# Allegro board pc065c_fibv2_toplevel_28smoothed.brd (continued)
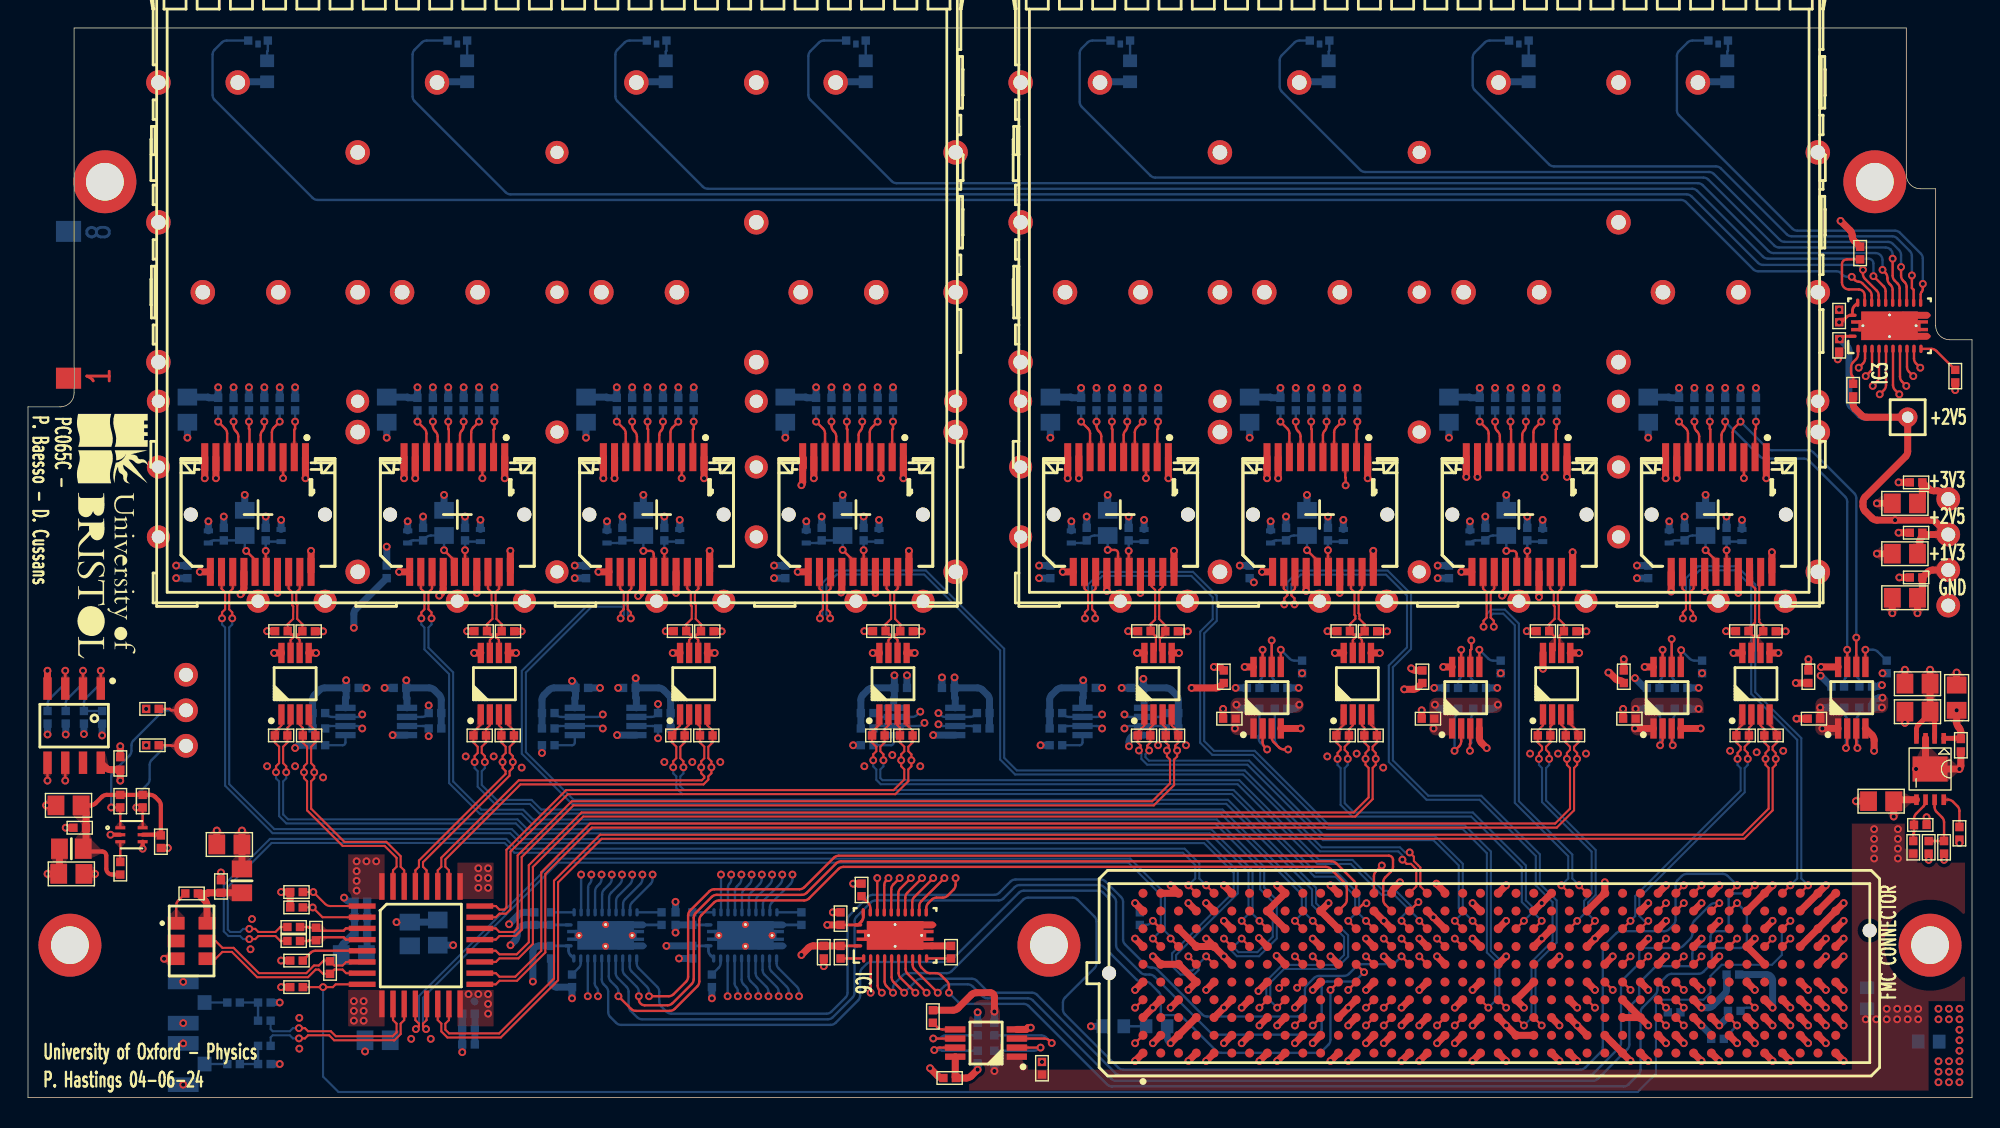
[diagram p0: board, top side]
## Routing (per net, layer and track width the routed paths; a pad name or vN(x,y) marks a point on that pad's centre or on a via; arc(x,y) is an arc through that point) (continued)
SFP_FAULT_FPGA<7>: length 58.5
  TOP w0.17: J2.F17 v1(99.48,10.1)
  L6_SIG w0.17: v1(99.48,10.1) 99.05,10.53 arc(98.94,10.7) 98.9,10.89 98.9,13 arc(98.75,13.35) 98.4,13.5 97.61,13.5 arc(97.42,13.54) 97.25,13.65 91.85,19.05 arc(91.69,19.16) 91.49,19.2 74.51,19.2 arc(74.32,19.16) 74.15,19.05 65.05,9.95 arc(64.88,9.84) 64.69,9.8 58.38,9.8 arc(58.19,9.76) 58.03,9.65 55.77,7.4 arc(55.61,7.29) 55.42,7.25 v1(55.13,7.25)
  BOTTOM w0.17: v1(55.13,7.25) 55.13,7.57 arc(55.1,7.76) 54.99,7.92 53.67,9.24 arc(53.56,9.4) 53.52,9.59 IC5.14
SFP_I2C_SCL<0>: length 31.9
  TOP w0.17: v1(16.9,48.34) 16.9,48.01 arc(16.87,47.84) 16.77,47.7 arc(16.67,47.55) 16.64,47.38 J7.5
  L6_SIG w0.17: v1(16.9,48.34) 16.9,46.81 arc(16.94,46.62) 17.05,46.45 18.95,44.55 arc(19.06,44.38) 19.1,44.19 19.1,42.41 arc(19.14,42.22) 19.25,42.05 19.25,42.05 arc(19.36,41.88) 19.4,41.69 19.4,28.81 arc(19.44,28.62) 19.55,28.45 20.45,27.55 arc(20.62,27.44) 20.81,27.4 v1(23.9,27.4)
  BOTTOM w0.17: R140.1 21.38,27.37 arc(21.54,27.26) 21.73,27.23 IC12.7 23.73,27.23 arc(23.85,27.27) 23.9,27.39 v1(23.9,27.4) ; R27.1 v1(16.9,48.34)
SFP_I2C_SCL<1>: length 34.4
  TOP w0.17: J12.5 30.89,47.38 arc(30.92,47.55) 31.02,47.7 arc(31.12,47.84) 31.15,48.01 v1(31.15,48.34)
  L6_SIG w0.17: v1(31.15,48.34) 31.15,47.66 arc(31.19,47.47) 31.3,47.3 33.05,45.55 arc(33.16,45.38) 33.2,45.19 33.2,44.41 arc(33.24,44.22) 33.35,44.05 33.85,43.55 arc(33.96,43.38) 34,43.19 34,41.01 arc(34.04,40.82) 34.15,40.65 35.45,39.35 arc(35.62,39.24) 35.81,39.2 39.8,39.2 arc(40.01,39.11) 40.1,38.9 40.1,28.61 arc(40.14,28.42) 40.25,28.25 v1(41.1,27.4)
  BOTTOM w0.17: R39.1 v1(31.15,48.34) ; v1(41.1,27.4) 41.07,27.37 arc(40.91,27.26) 40.72,27.23 IC14.7 38.13,27.23 arc(37.94,27.26) 37.78,27.37 R145.1
SFP_I2C_SCL<2>: length 42.2
  TOP w0.17: v1(45.4,48.34) 45.4,48.01 arc(45.37,47.84) 45.27,47.7 arc(45.17,47.55) 45.14,47.38 J16.5
  L6_SIG w0.17: v1(45.4,48.34) 45.4,47.01 arc(45.44,46.82) 45.55,46.65 47.55,44.65 arc(47.66,44.48) 47.7,44.29 47.7,32.05 arc(47.74,31.86) 47.85,31.7 51.15,28.4 arc(51.31,28.29) 51.5,28.25 61.94,28.25 arc(62.13,28.21) 62.29,28.11 62.65,27.75 arc(62.81,27.64) 63.01,27.6 v1(63.8,27.6)
  BOTTOM w0.17: v1(63.8,27.6) 63.57,27.37 arc(63.41,27.26) 63.22,27.23 IC15.7 60.93,27.23 arc(60.74,27.26) 60.58,27.37 R150.1 ; R47.1 v1(45.4,48.34)
SFP_I2C_SCL<3>: length 47.1
  TOP w0.17: J20.5 59.39,47.38 arc(59.42,47.55) 59.52,47.7 arc(59.62,47.84) 59.65,48.01 v1(59.65,48.34)
  L6_SIG w0.17: v1(59.65,48.34) 59.65,48.95 arc(59.78,49.27) 60.1,49.4 61.59,49.4 arc(61.78,49.36) 61.95,49.25 64.83,46.37 arc(64.99,46.26) 65.18,46.22 66.92,46.22 arc(67.11,46.26) 67.27,46.37 67.88,46.98 arc(68.04,47.09) 68.23,47.12 71.87,47.12 arc(72.06,47.09) 72.22,46.98 73.13,46.07 arc(73.29,45.96) 73.48,45.92 75.77,45.92 arc(75.96,45.89) 76.12,45.78 76.48,45.42 arc(76.59,45.26) 76.62,45.07 76.62,42.78 arc(76.66,42.59) 76.77,42.43 77.08,42.12 arc(77.19,41.96) 77.22,41.77 77.22,41.23 arc(77.19,41.04) 77.08,40.88 75.67,39.47 arc(75.56,39.31) 75.52,39.12 75.52,35.93 arc(75.49,35.74) 75.38,35.58 74.85,35.05 arc(74.74,34.88) 74.7,34.69 74.7,28.51 arc(74.74,28.32) 74.85,28.15 75.45,27.55 arc(75.62,27.44) 75.81,27.4 v1(76.8,27.4)
  BOTTOM w0.17: R55.1 v1(59.65,48.34) ; R155.1 74.08,27.37 arc(74.24,27.26) 74.43,27.23 IC16.7 76.42,27.23 arc(76.61,27.26) 76.77,27.37 v1(76.8,27.4)
SFP_I2C_SCL<4>: length 28.3
  TOP w0.17: 88.28,30.8 v1(88.28,32.03) ; v1(78.6,48.34) 78.6,48.01 arc(78.57,47.84) 78.47,47.7 arc(78.37,47.55) 78.34,47.38 J36.5
  L6_SIG w0.17: v1(78.6,48.34) 78.6,47.21 arc(78.64,47.02) 78.75,46.85 80.65,44.95 arc(80.76,44.78) 80.8,44.59 80.8,42.11 arc(80.84,41.92) 80.95,41.75 82.55,40.15 arc(82.66,39.98) 82.7,39.79 82.7,37.71 arc(82.74,37.52) 82.85,37.35 85.66,34.55 arc(85.82,34.44) 86.01,34.4 86.79,34.4 arc(86.99,34.36) 87.15,34.25 88.13,33.27 arc(88.24,33.11) 88.28,32.92 v1(88.28,32.03)
  BOTTOM w0.17: v1(88.28,32.03) 88.28,30.2 arc(88.25,30.05) 88.16,29.93 88.16,29.92 arc(88.08,29.8) 88.05,29.65 R160.1 ; R128.1 v1(78.6,48.34)
SFP_I2C_SCL<5>: length 31.3
  TOP w0.17: J32.5 92.59,47.38 arc(92.62,47.55) 92.72,47.7 arc(92.82,47.84) 92.85,48.01 v1(92.85,48.34) ; IC18.7 v1(102.47,32.03)
  L6_SIG w0.17: v1(102.47,32.03) 102.25,32.25 arc(102.09,32.36) 101.9,32.4 97.31,32.4 arc(97.12,32.44) 96.95,32.55 96.15,33.35 arc(96.04,33.52) 96,33.71 96,36.39 arc(96.04,36.58) 96.15,36.75 96.85,37.45 arc(96.96,37.62) 97,37.81 97,39.89 arc(96.96,40.08) 96.85,40.25 95.05,42.05 arc(94.94,42.22) 94.9,42.41 94.9,43.79 arc(94.86,43.98) 94.75,44.15 93,45.9 arc(92.89,46.07) 92.85,46.26 v1(92.85,48.34)
  BOTTOM w0.17: v1(102.47,32.03) 102.47,30.2 arc(102.45,30.05) 102.36,29.93 102.36,29.92 arc(102.28,29.8) 102.25,29.65 R165.1 ; R120.1 v1(92.85,48.34)
SFP_I2C_SCL<6>: length 27.8
  TOP w0.17: IC19.7 v1(116.88,32.03) ; J28.5 106.84,47.38 arc(106.87,47.55) 106.97,47.7 arc(107.07,47.84) 107.1,48.01 v1(107.1,48.34)
  L6_SIG w0.17: v1(107.1,48.34) 115.85,39.59 arc(115.96,39.43) 116,39.24 116,33.11 arc(116.04,32.92) 116.15,32.76 v1(116.88,32.03)
  BOTTOM w0.17: R112.1 v1(107.1,48.34) ; R170.1 116.65,29.65 arc(116.68,29.8) 116.76,29.92 116.76,29.93 arc(116.85,30.05) 116.88,30.2 v1(116.88,32.03)
SFP_I2C_SCL<7>: length 29.1
  TOP w0.17: v1(121.35,48.34) 121.35,48.01 arc(121.32,47.84) 121.22,47.7 arc(121.12,47.55) 121.09,47.38 J24.5 ; 130.07,30.8 v1(130.07,32.03)
  BOTTOM w0.17: R104.1 v1(121.35,48.34) 123.85,45.85 arc(124.01,45.74) 124.2,45.7 126.99,45.7 arc(127.18,45.66) 127.35,45.55 129.93,42.97 arc(130.04,42.81) 130.07,42.62 v1(130.07,32.03) 130.07,30.3 arc(130.05,30.15) 129.96,30.02 129.96,30.02 arc(129.88,29.9) 129.85,29.75 R175.1
SFP_I2C_SCL_CVCC<0>: length 87.5
  TOP w0.17: 92.42,5.72 v1(91.86,5.16)
  L3_SIG w0.17: v1(91.86,5.16) 91.35,4.65 arc(91.24,4.48) 91.2,4.29 91.2,3.5 arc(91.14,3.36) 91,3.3 79.01,3.3 arc(78.82,3.34) 78.65,3.45 75.95,6.15 arc(75.84,6.32) 75.8,6.51 75.8,9.89 arc(75.84,10.08) 75.95,10.25 76.75,11.05 arc(76.86,11.22) 76.9,11.41 76.9,13.89 arc(76.86,14.08) 76.75,14.25 70.05,20.95 arc(69.88,21.06) 69.69,21.1 60.01,21.1 arc(59.82,21.14) 59.65,21.25 56.35,24.55 arc(56.18,24.66) 55.99,24.7 38.51,24.7 arc(38.32,24.74) 38.15,24.85 37.85,25.15 arc(37.68,25.26) 37.49,25.3 31.11,25.3 arc(30.92,25.26) 30.75,25.15 30.1,24.5 arc(29.93,24.39) 29.74,24.35 28.25,24.35 arc(28,24.45) 27.9,24.7 27.9,25.79 arc(27.94,25.98) 28.05,26.15 28.5,26.6 arc(28.61,26.77) 28.65,26.96 v1(28.65,28.05)
  BOTTOM w0.17: v1(28.65,28.05) R137.1 28.52,27.37 arc(28.36,27.26) 28.17,27.23 IC12.2
SFP_I2C_SCL_CVCC<1>: length 75.6
  TOP w0.17: 98.78,10.8 v1(98.21,11.37)
  L3_SIG w0.17: v1(98.21,11.37) 97.65,11.93 arc(97.54,12.1) 97.5,12.29 97.5,17.29 arc(97.54,17.48) 97.65,17.65 98.05,18.05 arc(98.16,18.22) 98.2,18.41 98.2,25.49 arc(98.16,25.68) 98.05,25.85 92.65,31.25 arc(92.48,31.36) 92.29,31.4 90.91,31.4 arc(90.72,31.36) 90.55,31.25 89.45,30.15 arc(89.28,30.04) 89.09,30 84.61,30 arc(84.42,30.04) 84.25,30.15 83.35,31.05 arc(83.18,31.16) 82.99,31.2 61.01,31.2 arc(60.82,31.16) 60.65,31.05 57.9,28.3 arc(57.73,28.19) 57.54,28.15 v1(45.05,28.15)
  BOTTOM w0.17: IC14.2 44.57,27.23 arc(44.76,27.26) 44.92,27.37 R142.1 v1(45.05,28.15)
SFP_I2C_SCL_CVCC<2>: length 49.8
  TOP w0.17: 97.5,5.72 v1(96.94,5.16)
  L3_SIG w0.17: v1(96.94,5.16) 96.65,5.16 arc(96.46,5.2) 96.3,5.3 95.95,5.65 arc(95.79,5.76) 95.6,5.8 95.3,5.8 arc(95.16,5.86) 95.1,6 95.1,8.09 arc(95.07,8.22) 95,8.33 arc(94.93,8.44) 94.9,8.57 94.9,9.09 arc(94.86,9.28) 94.75,9.45 92.35,11.85 arc(92.18,11.96) 91.99,12 91.37,12 arc(91.25,12.05) 91.2,12.17 91.2,17.59 arc(91.16,17.78) 91.05,17.95 85.75,23.25 arc(85.58,23.36) 85.39,23.4 72.61,23.4 arc(72.42,23.44) 72.25,23.55 68.45,27.35 arc(68.28,27.46) 68.09,27.5 v1(65.1,27.5)
  BOTTOM w0.17: v1(65.1,27.5) 65.23,27.37 arc(65.39,27.26) 65.58,27.23 IC15.2 67.37,27.23 arc(67.56,27.26) 67.72,27.37 R147.1
SFP_I2C_SCL_CVCC<3>: length 104.5
  TOP w0.17: 121.64,10.8 v1(122.2,11.37)
  L3_SIG w0.17: v1(78.4,27.4) 77.85,27.95 arc(77.68,28.06) 77.49,28.1 72.51,28.1 arc(72.32,28.14) 72.15,28.25 71.35,29.05 arc(71.18,29.16) 70.99,29.2 63.11,29.2 arc(62.92,29.16) 62.75,29.05 62.05,28.35 arc(61.94,28.18) 61.9,27.99 61.9,26.51 arc(61.94,26.32) 62.05,26.15 63.15,25.05 arc(63.32,24.94) 63.51,24.9 67.59,24.9 arc(67.78,24.86) 67.95,24.75 77.85,14.85 arc(77.96,14.68) 78,14.49 78,11.11 arc(78.04,10.92) 78.15,10.76 82.95,5.95 arc(83.12,5.84) 83.31,5.8 91.89,5.8 arc(92.09,5.76) 92.25,5.65 96.25,1.65 arc(96.42,1.54) 96.61,1.5 112.29,1.5 arc(112.48,1.54) 112.65,1.65 113.55,2.55 arc(113.66,2.72) 113.7,2.91 113.7,5.3 arc(113.82,5.58) 114.1,5.7 121.29,5.7 arc(121.48,5.74) 121.65,5.85 122.06,6.25 arc(122.16,6.42) 122.2,6.61 v1(122.2,11.37)
  BOTTOM w0.17: v1(78.4,27.4) 78.43,27.37 arc(78.59,27.26) 78.78,27.23 IC16.2 80.87,27.23 arc(81.06,27.26) 81.22,27.37 R152.1
SFP_I2C_SCL_CVCC<4>: length 34
  TOP w0.17: v1(88.6,24.9) 88.42,25.08 arc(88.31,25.24) 88.28,25.43 88.28,26.4 ; 102.58,5.72 v1(102.02,5.16)
  L3_SIG w0.17: v1(88.6,24.9) 89.05,25.35 arc(89.22,25.46) 89.41,25.5 90.09,25.5 arc(90.28,25.46) 90.45,25.35 92.65,23.15 arc(92.76,22.98) 92.8,22.79 92.8,17.21 arc(92.84,17.02) 92.95,16.85 93.55,16.25 arc(93.66,16.08) 93.7,15.89 93.7,12.61 arc(93.74,12.42) 93.85,12.25 95.25,10.85 arc(95.42,10.74) 95.61,10.7 97.33,10.7 arc(97.52,10.62) 97.6,10.43 97.6,10.01 arc(97.64,9.82) 97.75,9.65 98.35,9.05 arc(98.52,8.94) 98.71,8.9 98.89,8.9 arc(99.08,8.86) 99.25,8.75 101.05,6.95 arc(101.16,6.78) 101.2,6.59 101.2,6.18 arc(101.24,5.99) 101.35,5.83 v1(102.02,5.16)
  BOTTOM w0.17: R157.1 88.05,25.91 88,25.86 88,25.68 arc(88.03,25.51) 88.13,25.37 v1(88.6,24.9)
SFP_I2C_SCL_CVCC<5>: length 36.5
  TOP w0.17: IC18.2 102.47,25.48 arc(102.44,25.29) 102.33,25.13 v1(102,24.8) ; J2.D15 v1(96.94,6.43)
  L3_SIG w0.17: v1(102,24.8) 102,17.81 arc(101.96,17.62) 101.85,17.45 98.95,14.55 arc(98.84,14.38) 98.8,14.19 98.8,10.11 arc(98.84,9.92) 98.95,9.75 99.45,9.25 arc(99.62,9.14) 99.81,9.1 100.09,9.1 arc(100.28,9.06) 100.45,8.95 102.55,6.85 arc(102.66,6.68) 102.7,6.49 102.7,5 arc(102.55,4.65) 102.2,4.5 100.4,4.5 arc(100.19,4.59) 100.1,4.8 100.1,5.39 arc(100.06,5.58) 99.95,5.75 98.75,6.95 arc(98.58,7.06) 98.39,7.1 97.82,7.1 arc(97.63,7.06) 97.46,6.95 v1(96.94,6.43)
  BOTTOM w0.17: v1(102,24.8) 102,27.03 arc(102.04,27.22) 102.15,27.38 102.25,27.49 R162.1
SFP_I2C_SCL_CVCC<6>: length 27.1
  TOP w0.15: IC19.2 116.88,25.58 arc(116.84,25.39) 116.73,25.23 v1(116.7,25.2) ; J2.G19 v1(102.02,11.37)
  L3_SIG w0.15: v1(116.7,25.2) 107.75,16.25 arc(107.64,16.08) 107.6,15.89 107.6,12.71 arc(107.56,12.52) 107.45,12.35 107.15,12.05 arc(106.98,11.94) 106.79,11.9 102.75,11.9 arc(102.56,11.86) 102.4,11.75 v1(102.02,11.37)
  BOTTOM w0.15: R167.1 116.65,27.29 116.7,27.24 v1(116.7,25.2)
SFP_I2C_SCL_CVCC<7>: length 21.1
  TOP w0.17: 130.07,26.4 130.07,25.22 arc(130.05,25.1) v1(129.99,25) ; J2.G37 v1(126.01,11.37)
  L3_SIG w0.17: v1(129.99,25) 129.99,18.29 arc(129.95,18.1) 129.84,17.94 128.15,16.25 arc(128.04,16.08) 128,15.89 128,12.31 arc(127.96,12.12) 127.85,11.95 127.42,11.52 arc(127.25,11.41) 127.06,11.37 v1(126.01,11.37)
  BOTTOM w0.17: v1(129.99,25) 129.99,25.54 130.07,25.63 130.07,27 arc(130.05,27.15) 129.96,27.27 129.96,27.28 arc(129.88,27.4) 129.85,27.55 R172.1
SFP_I2C_SDA<0>: length 31.3
  TOP w0.17: v1(18,48.34) 17.59,47.93 arc(17.48,47.77) 17.44,47.58 J7.4
  L6_SIG w0.17: v1(18,48.34) 18,47.26 arc(18.04,47.07) 18.15,46.91 24.65,40.4 arc(24.76,40.24) 24.8,40.05 24.8,29.11 arc(24.76,28.92) 24.65,28.75 24.65,28.75 arc(24.54,28.58) 24.5,28.39 24.5,27.21 arc(24.46,27.02) 24.35,26.85 v1(23.9,26.4)
  BOTTOM w0.17: v1(23.9,26.4) 23.87,26.43 arc(23.71,26.54) 23.52,26.57 IC12.6 21.63,26.57 arc(21.44,26.54) 21.28,26.43 R139.1 ; R28.1 v1(18,48.34)
SFP_I2C_SDA<1>: length 34.7
  TOP w0.17: v1(32.25,48.34) 31.84,47.93 arc(31.73,47.77) 31.69,47.58 J12.4
  L6_SIG w0.17: v1(32.25,48.34) 32.25,47.66 arc(32.29,47.47) 32.4,47.3 33.75,45.95 arc(33.92,45.84) 34.11,45.8 34.39,45.8 arc(34.58,45.76) 34.75,45.65 36.65,43.75 arc(36.76,43.58) 36.8,43.39 36.8,42.21 arc(36.84,42.02) 36.95,41.85 38.25,40.55 arc(38.42,40.44) 38.61,40.4 40.09,40.4 arc(40.28,40.36) 40.45,40.25 41.35,39.35 arc(41.46,39.18) 41.5,38.99 41.5,29.11 arc(41.54,28.92) 41.65,28.75 41.75,28.65 arc(41.86,28.48) 41.9,28.29 41.9,27.41 arc(41.86,27.22) 41.75,27.05 v1(41.1,26.4)
  BOTTOM w0.17: R144.1 37.68,26.43 arc(37.84,26.54) 38.03,26.57 IC14.6 40.72,26.57 arc(40.91,26.54) 41.07,26.43 v1(41.1,26.4) ; R40.1 v1(32.25,48.34)
SFP_I2C_SDA<2>: length 43.9
  TOP w0.17: J16.4 45.94,47.58 arc(45.98,47.77) 46.09,47.93 v1(46.5,48.34)
  L6_SIG w0.17: v1(46.5,48.34) 46.5,46.86 arc(46.54,46.67) 46.65,46.51 47.21,45.95 arc(47.37,45.84) 47.56,45.8 48.29,45.8 arc(48.48,45.76) 48.65,45.65 49.05,45.25 arc(49.16,45.08) 49.2,44.89 49.2,43.51 arc(49.16,43.32) 49.05,43.15 48.55,42.65 arc(48.44,42.48) 48.4,42.29 48.4,41.01 arc(48.44,40.82) 48.55,40.65 49.15,40.05 arc(49.26,39.88) 49.3,39.69 49.3,38.56 arc(49.34,38.37) 49.45,38.2 51.4,36.25 arc(51.51,36.08) 51.55,35.89 51.55,30.66 arc(51.59,30.47) 51.7,30.3 52.65,29.35 arc(52.82,29.24) 53.01,29.2 63.49,29.2 arc(63.68,29.16) 63.85,29.05 64.37,28.53 arc(64.48,28.37) 64.52,28.18 64.52,27.42 arc(64.48,27.23) 64.37,27.07 v1(64.1,26.8)
  BOTTOM w0.17: v1(64.1,26.8) 64.02,26.72 arc(63.86,26.61) 63.67,26.57 IC15.6 60.83,26.57 arc(60.64,26.54) 60.48,26.43 R149.1 ; R48.1 v1(46.5,48.34)
SFP_I2C_SDA<3>: length 45.7
  TOP w0.17: v1(60.75,48.34) 60.34,47.93 arc(60.23,47.77) 60.19,47.58 J20.4
  L6_SIG w0.17: v1(60.75,48.34) 63.15,45.95 arc(63.31,45.84) 63.5,45.8 67.09,45.8 arc(67.28,45.84) 67.45,45.95 68.05,46.55 arc(68.22,46.66) 68.41,46.7 71.69,46.7 arc(71.88,46.66) 72.05,46.55 72.95,45.65 arc(73.12,45.54) 73.31,45.5 75.59,45.5 arc(75.78,45.46) 75.95,45.35 76.05,45.25 arc(76.16,45.08) 76.2,44.89 76.2,42.61 arc(76.24,42.42) 76.35,42.25 76.65,41.95 arc(76.76,41.78) 76.8,41.59 76.8,41.41 arc(76.76,41.22) 76.65,41.05 75.25,39.65 arc(75.14,39.48) 75.1,39.29 75.1,36.21 arc(75.06,36.02) 74.95,35.85 74.35,35.25 arc(74.24,35.08) 74.2,34.89 74.2,27.68 arc(74.24,27.49) 74.35,27.32 75.12,26.55 arc(75.29,26.44) 75.48,26.4 v1(76.8,26.4)
  BOTTOM w0.17: v1(76.8,26.4) 76.77,26.43 arc(76.61,26.54) 76.42,26.57 IC16.6 74.33,26.57 arc(74.14,26.54) 73.98,26.43 R154.1 ; R56.1 v1(60.75,48.34)
SFP_I2C_SDA<4>: length 31
  TOP w0.17: J36.4 79.14,47.58 arc(79.18,47.77) 79.29,47.93 v1(79.7,48.34) ; IC17.6 v1(88.92,32.7)
  L6_SIG w0.17: v1(88.92,32.7) 88.92,33.87 arc(88.89,34.06) 88.78,34.22 87.65,35.35 arc(87.49,35.46) 87.29,35.5 85.67,35.5 arc(85.48,35.54) 85.32,35.65 83.75,37.22 arc(83.64,37.38) 83.6,37.58 83.6,39.29 arc(83.64,39.48) 83.75,39.65 84.35,40.25 arc(84.46,40.42) 84.5,40.61 84.5,43.39 arc(84.46,43.58) 84.35,43.75 83.14,44.95 arc(82.98,45.06) 82.79,45.1 81.71,45.1 arc(81.52,45.14) 81.35,45.25 79.85,46.76 arc(79.74,46.92) 79.7,47.11 v1(79.7,48.34)
  BOTTOM w0.17: R159.1 89.15,29.65 arc(89.12,29.8) 89.04,29.92 89.04,29.93 arc(88.95,30.05) 88.92,30.2 v1(88.92,32.7) ; R129.1 v1(79.7,48.34)
SFP_I2C_SDA<5>: length 30.4
  TOP w0.17: v1(103.2,32.7) 103.2,32.08 103.12,32 IC18.6 ; J32.4 93.39,47.58 arc(93.43,47.77) 93.54,47.93 v1(93.95,48.34)
  L6_SIG w0.17: v1(103.2,32.7) 100.35,35.55 arc(100.18,35.66) 99.99,35.7 99.41,35.7 arc(99.21,35.74) 99.05,35.85 98.25,36.65 arc(98.14,36.82) 98.1,37.01 98.1,39.59 arc(98.14,39.78) 98.25,39.95 98.35,40.05 arc(98.46,40.22) 98.5,40.41 98.5,43.59 arc(98.46,43.78) 98.35,43.95 97.25,45.05 arc(97.08,45.16) 96.89,45.2 95.21,45.2 arc(95.02,45.24) 94.85,45.35 94.1,46.1 arc(93.99,46.27) 93.95,46.46 v1(93.95,48.34)
  BOTTOM w0.17: R121.1 v1(93.95,48.34) ; v1(103.2,32.7) 103.2,32.08 103.12,32 103.12,30.2 arc(103.15,30.05) 103.24,29.93 103.24,29.92 arc(103.32,29.8) 103.35,29.65 R164.1
SFP_I2C_SDA<6>: length 28.5
  TOP w0.17: IC19.6 v1(117.53,32.8) ; v1(108.2,48.34) 107.79,47.93 arc(107.68,47.77) 107.64,47.58 J28.4
  L6_SIG w0.17: v1(108.2,48.34) 108.2,48.06 arc(108.24,47.87) 108.35,47.71 116.75,39.3 arc(116.86,39.14) 116.9,38.95 116.9,33.63 arc(116.94,33.44) 117.05,33.28 v1(117.53,32.8)
  BOTTOM w0.17: R169.1 117.75,29.65 arc(117.72,29.8) 117.64,29.92 117.64,29.93 arc(117.55,30.05) 117.53,30.2 v1(117.53,32.8) ; R113.1 v1(108.2,48.34)
SFP_I2C_SDA<7>: length 29.8
  TOP w0.17: v1(122.45,48.34) 122.04,47.93 arc(121.93,47.77) 121.89,47.58 J24.4 ; IC20.6 v1(130.72,32.9)
  BOTTOM w0.17: R174.1 130.95,29.75 arc(130.92,29.9) 130.84,30.02 130.84,30.02 arc(130.75,30.15) 130.72,30.3 v1(130.72,32.9) 130.72,42.87 arc(130.69,43.06) 130.58,43.22 127.65,46.15 arc(127.48,46.26) 127.29,46.3 124.7,46.3 arc(124.51,46.34) 124.35,46.45 v1(122.45,48.34) R105.1
SFP_I2C_SDA_CVCC<0>: length 80.2
  TOP w0.17: 91.16,5.72 v1(90.59,5.16)
  L3_SIG w0.17: v1(28.65,25.85) 38.24,25.85 arc(38.43,25.81) 38.6,25.7 39.05,25.25 arc(39.22,25.14) 39.41,25.1 56.59,25.1 arc(56.78,25.06) 56.95,24.95 60.25,21.65 arc(60.42,21.54) 60.61,21.5 70.19,21.5 arc(70.38,21.46) 70.55,21.35 77.35,14.55 arc(77.46,14.38) 77.5,14.19 77.5,11.11 arc(77.46,10.92) 77.35,10.75 76.45,9.85 arc(76.34,9.68) 76.3,9.49 76.3,6.61 arc(76.34,6.42) 76.45,6.25 78.05,4.65 arc(78.22,4.54) 78.41,4.5 89.72,4.5 arc(89.91,4.54) 90.08,4.65 v1(90.59,5.16)
  BOTTOM w0.17: IC12.3 28.27,26.57 arc(28.46,26.54) 28.62,26.43 R136.1 v1(28.65,25.85)
SFP_I2C_SDA_CVCC<1>: length 76.6
  TOP w0.17: J2.G15 v1(96.94,11.37)
  L3_SIG w0.17: v1(45.05,25.7) 56.19,25.7 arc(56.38,25.74) 56.55,25.85 61.35,30.65 arc(61.52,30.76) 61.71,30.8 82.59,30.8 arc(82.78,30.76) 82.95,30.65 84.75,28.85 arc(84.92,28.74) 85.11,28.7 88.39,28.7 arc(88.58,28.74) 88.75,28.85 90.65,30.75 arc(90.82,30.86) 91.01,30.9 92.09,30.9 arc(92.28,30.86) 92.45,30.75 97.35,25.85 arc(97.46,25.68) 97.5,25.49 97.5,18.81 arc(97.46,18.62) 97.35,18.45 96.25,17.35 arc(96.14,17.18) 96.1,16.99 96.1,15.14 arc(96.13,15.01) 96.2,14.9 arc(96.27,14.79) 96.3,14.66 96.3,12.22 arc(96.34,12.03) 96.45,11.86 v1(96.94,11.37)
  BOTTOM w0.17: IC14.3 44.67,26.57 arc(44.86,26.54) 45.02,26.43 R141.1 v1(45.05,25.7)
SFP_I2C_SDA_CVCC<2>: length 49.6
  TOP w0.17: 96.23,5.72 v1(95.67,5.16)
  L3_SIG w0.17: v1(65.1,26.7) 67.49,26.7 arc(67.68,26.66) 67.85,26.55 71.35,23.05 arc(71.52,22.94) 71.71,22.9 85.29,22.9 arc(85.48,22.86) 85.65,22.75 89.85,18.55 arc(89.96,18.38) 90,18.19 90,9.81 arc(90.04,9.62) 90.15,9.45 90.55,9.05 arc(90.72,8.94) 90.91,8.9 93.4,8.9 arc(93.68,8.78) 93.8,8.5 93.8,6.2 arc(93.92,5.92) 94.2,5.8 94.33,5.8 arc(94.52,5.76) 94.68,5.65 95.03,5.3 arc(95.19,5.2) 95.38,5.16 v1(95.67,5.16)
  BOTTOM w0.17: R146.1 67.82,26.43 arc(67.66,26.54) 67.47,26.57 IC15.3 65.4,26.57 arc(65.24,26.61) v1(65.1,26.7)
SFP_I2C_SDA_CVCC<3>: length 100.6
  TOP w0.17: J2.G33 v1(120.93,11.37)
  L3_SIG w0.17: v1(78.4,26.4) 77.65,25.65 arc(77.48,25.54) 77.29,25.5 73.69,25.5 arc(73.5,25.54) 73.34,25.65 70.93,28.05 arc(70.77,28.16) 70.58,28.2 63.31,28.2 arc(63.02,28.08) 62.9,27.79 62.9,26.31 arc(62.94,26.12) 63.05,25.95 63.55,25.45 arc(63.72,25.34) 63.91,25.3 67.99,25.3 arc(68.18,25.26) 68.35,25.15 78.25,15.25 arc(78.36,15.08) 78.4,14.89 78.4,11.51 arc(78.44,11.32) 78.55,11.15 82.56,7.15 arc(82.72,7.04) 82.91,7 91.29,7 arc(91.48,6.96) 91.65,6.85 96.45,2.05 arc(96.62,1.94) 96.81,1.9 111.59,1.9 arc(111.79,1.94) 111.95,2.05 112.55,2.65 arc(112.66,2.82) 112.7,3.01 112.7,6.09 arc(112.74,6.28) 112.85,6.45 113.25,6.85 arc(113.42,6.96) 113.61,7 119.69,7 arc(119.88,7.04) 120.05,7.15 120.26,7.36 arc(120.37,7.52) 120.41,7.71 120.41,10.64 arc(120.44,10.83) 120.55,10.99 v1(120.93,11.37)
  BOTTOM w0.17: v1(78.4,26.4) 78.43,26.43 arc(78.59,26.54) 78.78,26.57 IC16.3 80.97,26.57 arc(81.16,26.54) 81.32,26.43 R151.1
SFP_I2C_SDA_CVCC<4>: length 31.8
  TOP w0.17: 101.31,5.72 v1(100.75,5.16) ; IC17.3 88.92,25.77 arc(88.96,25.58) 89.07,25.42 89.45,25.05 arc(89.61,24.94) 89.8,24.9 v1(90.1,24.9)
  L3_SIG w0.17: v1(90.1,24.9) 91.75,23.25 arc(91.86,23.08) 91.9,22.89 91.9,13.91 arc(91.94,13.72) 92.05,13.55 92.95,12.65 arc(93.06,12.48) 93.1,12.29 93.1,12.01 arc(93.14,11.82) 93.25,11.65 95.25,9.65 arc(95.42,9.54) 95.61,9.5 96.69,9.5 arc(96.88,9.46) 97.05,9.35 100.6,5.8 arc(100.71,5.63) 100.75,5.44 v1(100.75,5.16)
  BOTTOM w0.17: 89.15,25.45 89.22,25.39 arc(89.28,25.3) 89.3,25.2 ; 89.15,25.45 R156.1 ; 89.15,25.45 arc(89.17,25.35) 89.23,25.26 89.3,25.2 ; v1(90.1,24.9) 89.8,24.9 arc(89.61,24.94) 89.45,25.05 89.3,25.2
SFP_I2C_SDA_CVCC<5>: length 39.1
  TOP w0.17: v1(103.1,24.8) 103.1,25.29 103.12,25.32 IC18.3 ; J2.D14 v1(95.67,6.43)
  L3_SIG w0.17: v1(95.67,6.43) 95.95,6.43 arc(96.14,6.39) 96.31,6.28 96.64,5.95 arc(96.81,5.84) 97,5.8 98.4,5.8 arc(98.68,5.68) 98.8,5.4 98.8,4.51 arc(98.84,4.32) 98.95,4.15 99.75,3.35 arc(99.92,3.24) 100.11,3.2 102.19,3.2 arc(102.38,3.24) 102.55,3.35 103.75,4.55 arc(103.86,4.72) 103.9,4.91 103.9,5.89 arc(103.86,6.08) 103.75,6.25 100.25,9.75 arc(100.14,9.92) 100.1,10.11 100.1,11.39 arc(100.14,11.58) 100.25,11.75 102.95,14.45 arc(103.06,14.62) 103.1,14.81 v1(103.1,24.8)
  BOTTOM w0.17: R161.1 103.35,27.49 103.34,27.48 arc(103.23,27.32) 103.19,27.12 103.19,25.39 103.1,25.29 v1(103.1,24.8)
SFP_I2C_SDA_CVCC<6>: length 30.9
  TOP w0.15: J2.G18 v1(100.75,11.37) ; IC19.3 117.53,25.38 arc(117.54,25.28) v1(117.6,25.2)
  L3_SIG w0.15: v1(117.6,25.2) 109.25,16.85 arc(109.14,16.68) 109.1,16.49 109.1,11.51 arc(109.06,11.32) 108.95,11.15 108.65,10.85 arc(108.48,10.74) 108.29,10.7 101.63,10.7 arc(101.44,10.74) 101.27,10.85 v1(100.75,11.37)
  BOTTOM w0.15: v1(117.6,25.2) 117.6,27.03 arc(117.62,27.13) 117.67,27.21 arc(117.73,27.3) 117.75,27.4 R166.1
SFP_I2C_SDA_CVCC<7>: length 25.1
  TOP w0.17: IC20.3 130.72,25.19 arc(130.75,25.09) v1(130.8,25) ; J2.G36 v1(124.74,11.37)
  L3_SIG w0.17: v1(130.81,25) 131.15,24.65 arc(131.26,24.49) 131.3,24.3 131.3,18.61 arc(131.26,18.42) 131.15,18.25 129.35,16.45 arc(129.24,16.28) 129.2,16.09 129.2,10.97 arc(129.12,10.78) 128.93,10.7 125.62,10.7 arc(125.43,10.74) 125.27,10.85 v1(124.74,11.37)
  BOTTOM w0.17: R171.1 130.95,27.55 arc(130.92,27.4) 130.84,27.28 130.84,27.27 arc(130.75,27.15) 130.72,27 130.72,25.57 130.81,25.49 v1(130.81,25)
SFP_LOS<0>: length 60.8
  TOP w0.17: J7.8 14.24,47.5 arc(14.2,47.69) 14.09,47.85 v1(13.6,48.34)
  L3_SIG w0.17: v1(39.55,15.95) 39.26,15.95 arc(39.07,15.99) 38.9,16.1 35.65,19.35 arc(35.48,19.46) 35.29,19.5 20.71,19.5 arc(20.52,19.54) 20.35,19.65 16.05,23.95 arc(15.94,24.12) 15.9,24.31 15.9,30.69 arc(15.86,30.88) 15.75,31.05 13.35,33.45 arc(13.24,33.62) 13.2,33.81 13.2,35.19 arc(13.24,35.38) 13.35,35.55 16.05,38.25 arc(16.16,38.42) 16.2,38.61 16.2,43.59 arc(16.16,43.78) 16.05,43.95 13.75,46.25 arc(13.64,46.42) 13.6,46.61 v1(13.6,48.34)
  BOTTOM w0.17: R25.2 v1(13.6,48.34) ; IC4.3 v1(39.55,15.95)
SFP_LOS<1>: length 82.8
  TOP w0.17: J12.8 28.49,47.5 arc(28.45,47.69) 28.34,47.85 v1(27.85,48.34)
  L3_SIG w0.17: v1(40.28,15.95) 40.28,15.37 arc(40.23,15.25) 40.11,15.2 39.31,15.2 arc(39.12,15.24) 38.95,15.35 35.35,18.95 arc(35.18,19.06) 34.99,19.1 20.41,19.1 arc(20.22,19.14) 20.05,19.25 15.65,23.65 arc(15.54,23.82) 15.5,24.01 15.5,30.49 arc(15.46,30.68) 15.35,30.85 12.95,33.25 arc(12.84,33.42) 12.8,33.61 12.8,35.49 arc(12.84,35.68) 12.95,35.85 14.85,37.75 arc(14.96,37.92) 15,38.11 15,42.66 arc(14.97,42.79) 14.9,42.9 arc(14.83,43.01) 14.8,43.14 14.8,44.29 arc(14.76,44.48) 14.65,44.65 12.95,46.35 arc(12.84,46.52) 12.8,46.71 12.8,50.69 arc(12.84,50.88) 12.95,51.05 13.85,51.95 arc(14.02,52.06) 14.21,52.1 24.89,52.1 arc(25.08,52.06) 25.25,51.95 27.7,49.5 arc(27.81,49.33) 27.85,49.14 v1(27.85,48.34)
  BOTTOM w0.17: v1(40.28,15.95) 40.28,15.59 arc(40.25,15.44) 40.16,15.31 arc(40.08,15.18) 40.05,15.03 IC4.4 ; R37.2 v1(27.85,48.34)
SFP_LOS<2>: length 100.7
  TOP w0.17: J16.8 42.74,47.5 arc(42.7,47.69) 42.59,47.85 v1(42.1,48.34)
  L3_SIG w0.17: v1(41.01,15.95) 41.01,15.2 arc(40.89,14.92) 40.61,14.8 38.81,14.8 arc(38.62,14.84) 38.45,14.95 34.85,18.55 arc(34.68,18.66) 34.49,18.7 20.21,18.7 arc(20.02,18.74) 19.85,18.85 15.25,23.45 arc(15.14,23.62) 15.1,23.81 15.1,30.29 arc(15.06,30.48) 14.95,30.65 12.45,33.15 arc(12.34,33.32) 12.3,33.51 12.3,35.69 arc(12.34,35.88) 12.45,36.05 14.45,38.05 arc(14.56,38.22) 14.6,38.41 14.6,42.29 arc(14.56,42.48) 14.45,42.65 14.45,42.65 arc(14.34,42.82) 14.3,43.01 14.3,44.09 arc(14.26,44.28) 14.15,44.45 12.55,46.05 arc(12.44,46.22) 12.4,46.41 12.4,51.59 arc(12.44,51.78) 12.55,51.95 14.35,53.75 arc(14.52,53.86) 14.71,53.9 34.39,53.9 arc(34.58,53.86) 34.75,53.75 40.01,48.49 arc(40.17,48.38) 40.36,48.34 v1(42.1,48.34)
  BOTTOM w0.17: R45.2 v1(42.1,48.34) ; v1(41.01,15.95) 41.01,15.63 arc(40.97,15.44) 40.86,15.28 40.7,15.11 arc(40.59,14.95) 40.55,14.76 IC4.5
SFP_LOS<3>: length 119.4
  TOP w0.17: J20.8 56.99,47.5 arc(56.95,47.69) 56.84,47.85 v1(56.35,48.34)
  L3_SIG w0.17: v1(56.35,48.34) 55.49,49.2 55.47,49.2 arc(55.35,49.25) 55.3,49.37 55.3,53.09 arc(55.26,53.28) 55.15,53.45 54.35,54.25 arc(54.18,54.36) 53.99,54.4 14.61,54.4 arc(14.42,54.36) 14.25,54.25 12.15,52.15 arc(12.04,51.98) 12,51.79 12,44.41 arc(11.96,44.22) 11.85,44.05 10.55,42.75 arc(10.44,42.58) 10.4,42.39 10.4,41.61 arc(10.44,41.42) 10.55,41.25 11.55,40.25 arc(11.66,40.08) 11.7,39.89 11.7,33.51 arc(11.74,33.32) 11.85,33.15 14.55,30.45 arc(14.66,30.28) 14.7,30.09 14.7,23.51 arc(14.74,23.32) 14.85,23.15 19.55,18.45 arc(19.72,18.34) 19.91,18.3 34.19,18.3 arc(34.38,18.26) 34.55,18.15 38.15,14.55 arc(38.32,14.44) 38.51,14.4 40.83,14.4 arc(41.02,14.44) 41.19,14.55 41.59,14.95 arc(41.7,15.12) 41.74,15.31 v1(41.74,15.95)